# Altium PCB main - Copy.PcbDoc (part 6 of 14) (continued)
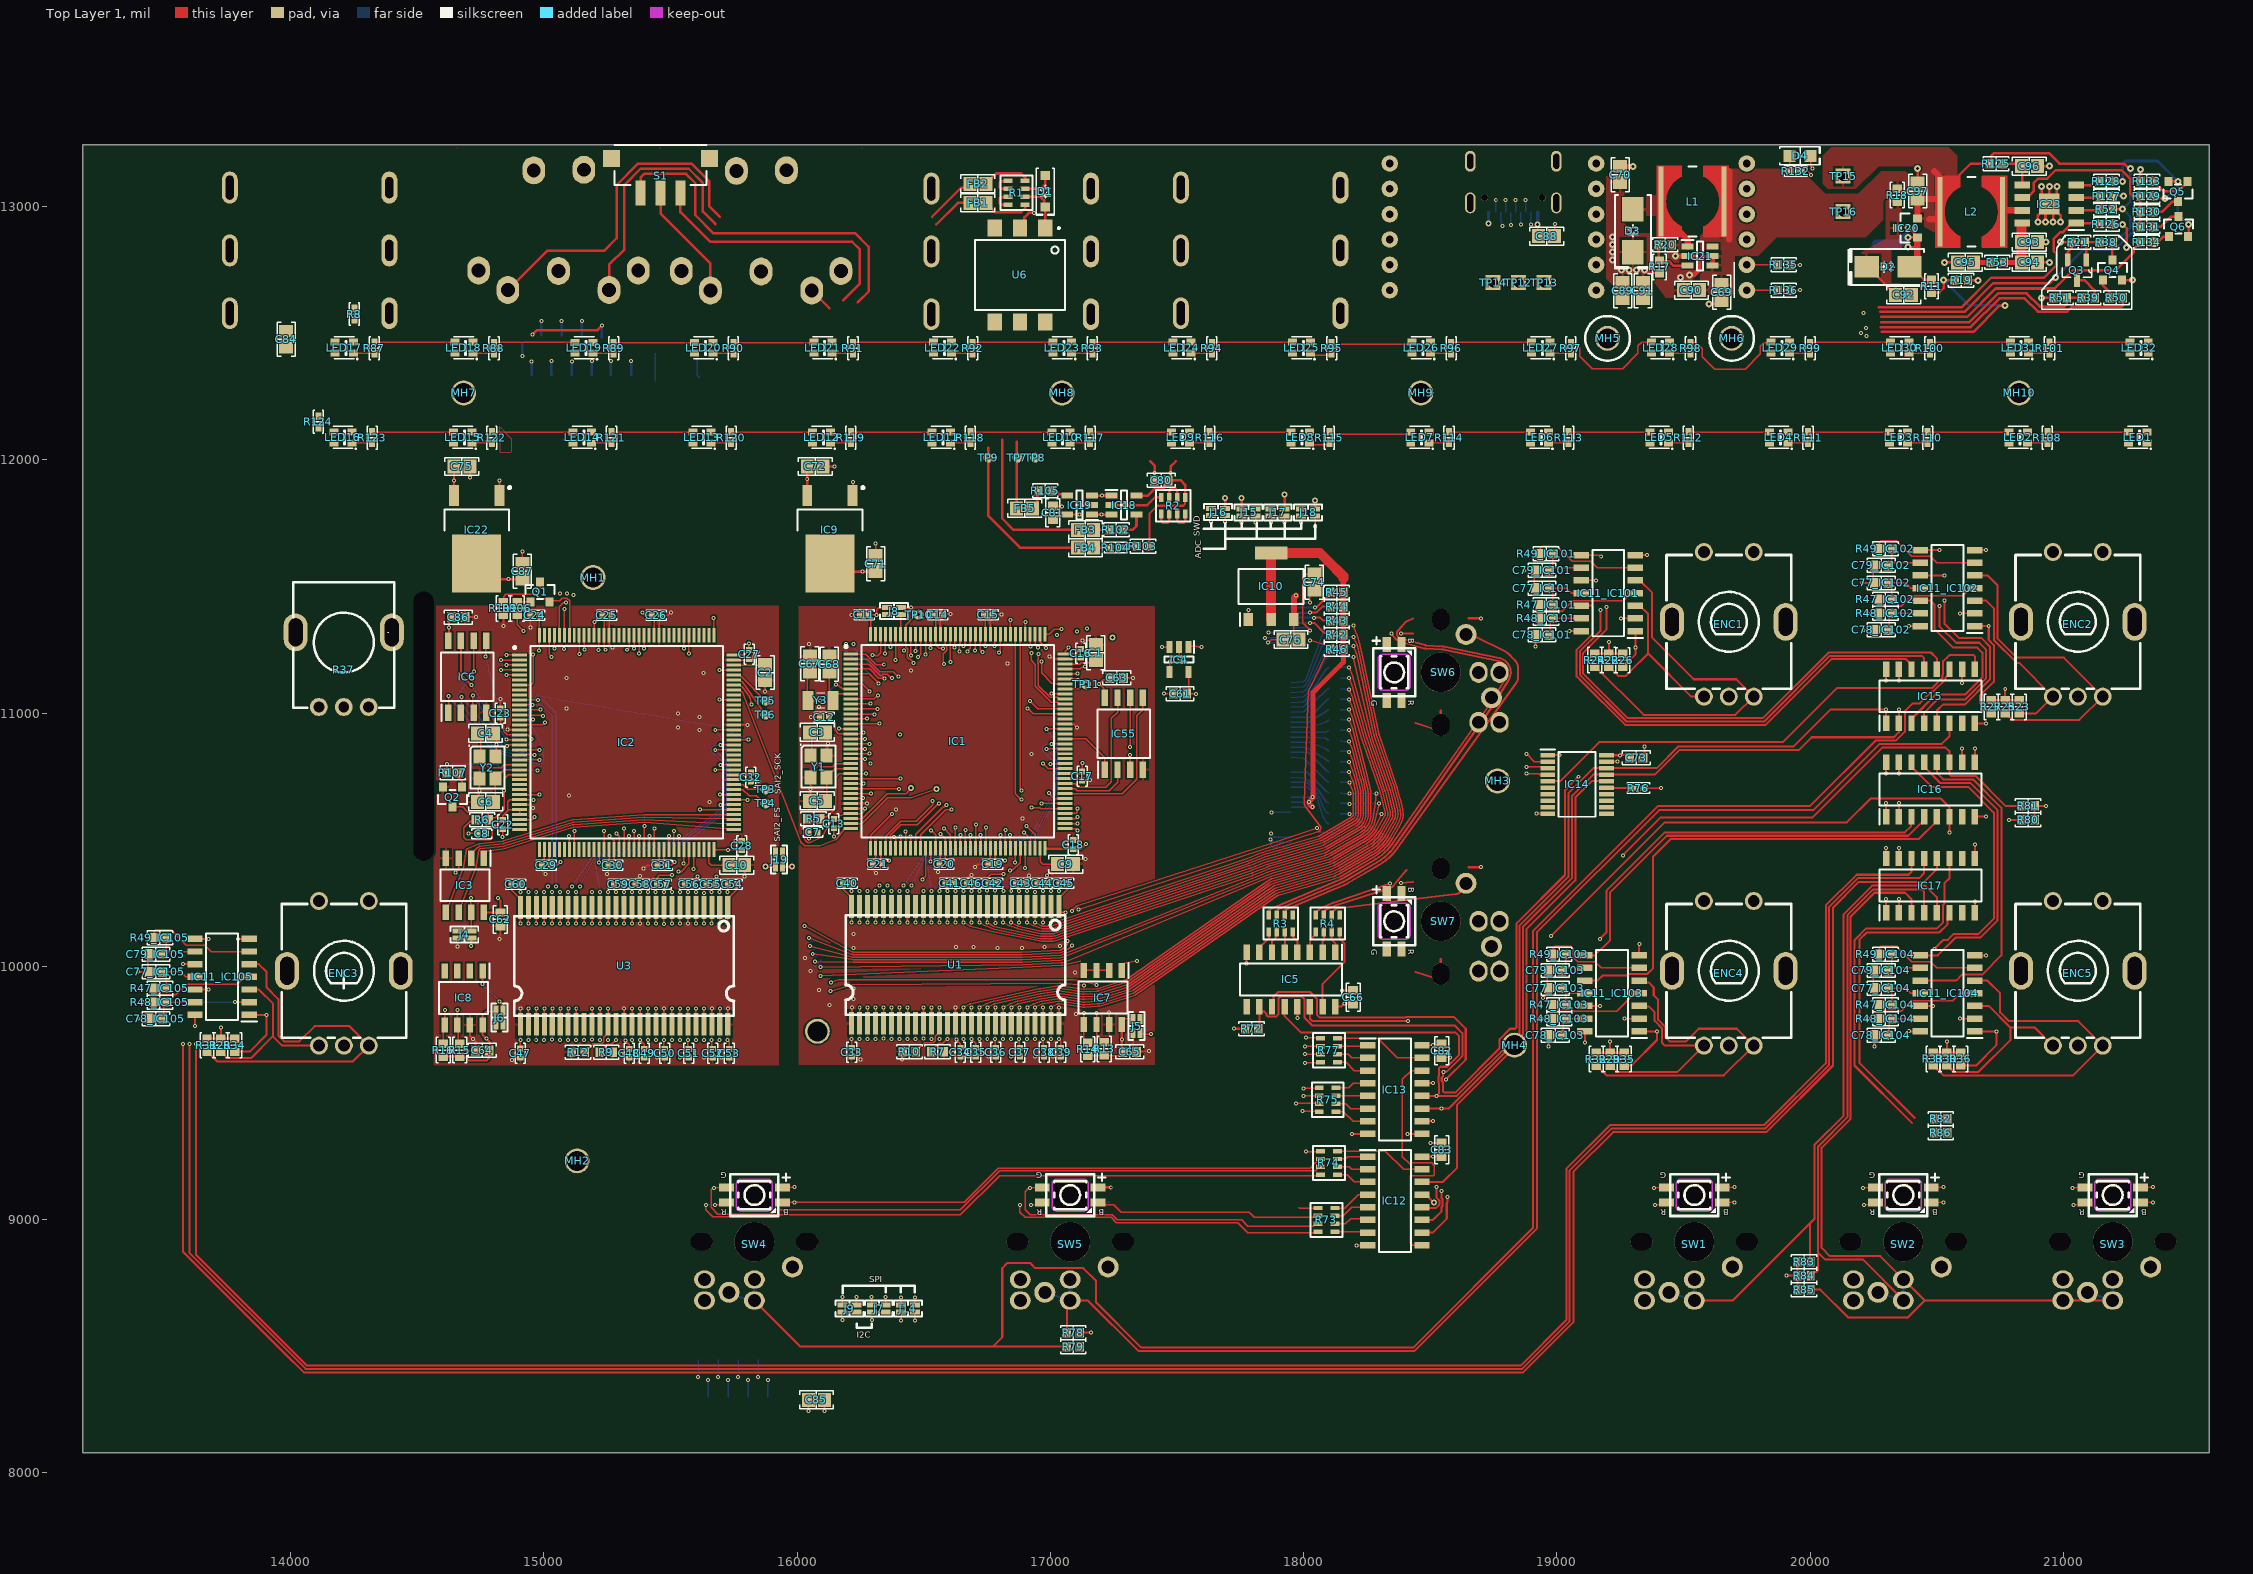
[diagram p0: Top Layer 1 view]
## Nets (pads, with @x,y where several pads share a name; then routed paths per layer and width w, separated by ;. In a path a pad name is that pad's centre, name@x,y a point inside that pad or via, vN(x,y) a via of type N, cw(c..) or ccw(c..) an arc to the next point about the centre after c; other vN are vias at no path point) (continued)
  Bottom 6+gnd w5: v1@16908.46,9713.75 U2.5@16908.46,9775.59 ; R58.2@18144.17,10807.66 18179.1,10807.66 v1(18179.31,10807.45)
D3: IC1.115 R59.2 U1.7 U2.7 | length 3756.2
  Top Layer 1 w5: U1.7@16845.23,10235.48 16844.88,10193.72 v1@16844.88,10176.1 ; v1@16845.96,10174.38 v1(16845.23,10174.13) ; IC1.115@16861.54,11311.42 16861.54,10682.28 v1(16885,10658.82) ; v1(18179.31,10847.45) 18193.5,10813.36 cw(c18179.31,10807.45) 18194.15,10811.48 18214.56,10736.25 cw(c18180.42,10726.98) 18214.92,10734.8 18224.66,10692.07 cw(c18180.42,10681.98) 18225.79,10681.98 18225.79,10601.98 cw(c18180.42,10601.98) 18203.29,10562.8 18078.93,10490.22 cw(c18056.25,10529.09) 18068.42,10485.76 17859.86,10425.42 ccw(c17906.89,10262.58) 17844.61,10420.22 17786.69,10397.36 cw(c17770.06,10439.17) 17784.19,10396.45 17050.69,10153.37 ccw(c17068.11,10100.81) 17049.86,10153.09 17014.45,10140.76 cw(c17002.71,10174.13) 17002.71,10138.76 16971.21,10138.76 cw(c16971.21,10174.13) 16963.73,10139.56 16873.38,10159.13 cw(c16876.72,10174.13) 16869.78,10160.42 16848.55,10171.16 cw(c16850.81,10175.63) 16847.3,10172.06 v1(16845.23,10174.13) ; v1@16844.88,10176.1 cw(c16840.23,10174.28) v1@16845.23,10174.16 ; v1@16844.88,10176.1 cw(c16840.23,10174.28) v1@16845.23,10174.16 ; v1@16844.88,10176.1 cw(c16840.23,10174.28) v1@16845.23,10174.16 ; v1@16844.88,10176.1 cw(c16840.23,10174.28) v1@16845.23,10174.16 ; v1@16844.88,10176.1 cw(c16840.23,10174.28) v1@16845.23,10174.16 ; v1@16844.88,10176.1 cw(c16840.23,10174.28) v1@16845.23,10174.16 ; v1@16844.88,10176.1 cw(c16840.23,10174.28) v1@16845.23,10174.16 ; v1@16844.88,10176.1 cw(c16840.23,10174.28) v1@16845.23,10174.16 ; v1@16844.88,10176.1 cw(c16840.23,10174.28) v1@16845.23,10174.16 ; v1@16844.88,10176.1 cw(c16840.23,10174.28) v1@16845.23,10174.16 ; v1@16844.88,10176.1 cw(c16840.23,10174.28) v1@16845.23,10174.16 ; v1@16844.88,10176.1 cw(c16840.23,10174.28) v1@16845.23,10174.16 ; v1@16844.88,10176.1 cw(c16840.23,10174.28) v1@16845.23,10174.16 ; v1@16844.88,10176.1 cw(c16840.23,10174.28) v1@16845.23,10174.16
  Layer 3 w5: v1(16845.23,9713.5) 16845.23,9805.11 cw(c16850.23,9805.11) 16846.68,9808.64 16859.89,9821.89 ; 16860.85,10324.67 16860.85,10191.78 cw(c16855.85,10191.87) 16859.39,10188.34 v1(16845.23,10174.13) v1@16845.23,10172.06 ; 16860.85,10324.68 cw(c16865.85,10324.68) 16862.27,10328.16 16911,10378.08 ccw(c16900,10388.82) 16915.35,10387.97 16922.44,10516.36 ; v1(16885,10658.82) 16918.05,10602.23 cw(c16913.73,10599.71) 16918.67,10600.5 ; 16918.67,10600.47 16922.94,10572.64 cw(c16907.74,10570.31) 16923.11,10570.13 ; 16923.11,10570.12 16922.46,10517.01 ; v1@16845.23,10172.06 ccw(c16850.23,10172.07) v1@16846.47,10168.77 ; v1@16845.23,10172.06 ccw(c16850.23,10172.07) v1@16846.47,10168.77 ; v1@16845.23,10172.06 ccw(c16850.23,10172.07) v1@16846.47,10168.77 ; v1@16845.23,10172.06 ccw(c16850.23,10172.07) v1@16846.47,10168.77 ; v1@16845.23,10172.06 ccw(c16850.23,10172.07) v1@16846.47,10168.77 ; v1@16845.23,10172.06 ccw(c16850.23,10172.07) v1@16846.47,10168.77 ; v1@16845.23,10172.06 ccw(c16850.23,10172.07) v1@16846.47,10168.77 ; v1@16845.23,10172.06 ccw(c16850.23,10172.07) v1@16846.47,10168.77 ; v1@16845.23,10172.06 ccw(c16850.23,10172.07) v1@16846.47,10168.77 ; v1@16845.23,10172.06 ccw(c16850.23,10172.07) v1@16846.47,10168.77 ; v1@16845.23,10172.06 ccw(c16850.23,10172.07) v1@16846.47,10168.77 ; v1@16845.23,10172.06 ccw(c16850.23,10172.07) v1@16846.47,10168.77 ; v1@16845.23,10172.06 ccw(c16850.23,10172.07) v1@16846.47,10168.77 ; v1@16845.23,10172.06 ccw(c16850.23,10172.07) v1@16846.47,10168.77 ; v1@16845.23,10172.06 ccw(c16850.23,10172.07) v1@16846.47,10168.77 ; v1@16845.23,10172.06 ccw(c16850.23,10172.07) v1@16846.47,10168.77 ; v1@16846.47,10168.77 16860.11,10153.23 ; 16859.89,9821.89 ccw(c16856.35,9825.42) 16861.35,9825.33 ; 16859.89,9821.89 ccw(c16856.35,9825.42) 16861.35,9825.33 ; 16859.89,9821.89 ccw(c16856.35,9825.42) 16861.35,9825.33 ; 16859.89,9821.89 ccw(c16856.35,9825.42) 16861.35,9825.33 ; 16859.89,9821.89 ccw(c16856.35,9825.42) 16861.35,9825.33 ; 16859.89,9821.89 ccw(c16856.35,9825.42) 16861.35,9825.33 ; 16859.89,9821.89 ccw(c16856.35,9825.42) 16861.35,9825.33 ; 16859.89,9821.89 ccw(c16856.35,9825.42) 16861.35,9825.33 ; 16859.89,9821.89 ccw(c16856.35,9825.42) 16861.35,9825.33 ; 16859.89,9821.89 ccw(c16856.35,9825.42) 16861.35,9825.33 ; 16859.89,9821.89 ccw(c16856.35,9825.42) 16861.35,9825.33 ; 16859.89,9821.89 ccw(c16856.35,9825.42) 16861.35,9825.33 ; 16859.89,9821.89 ccw(c16856.35,9825.42) 16861.35,9825.33 ; 16859.89,9821.89 ccw(c16856.35,9825.42) 16861.35,9825.33 ; 16859.89,9821.89 ccw(c16856.35,9825.42) 16861.35,9825.33 ; 16859.89,9821.89 ccw(c16856.35,9825.42) 16861.35,9825.33 ; 16860.11,10153.23 cw(c16856.35,10149.93) 16861.35,10150.02 ; 16860.11,10153.23 cw(c16856.35,10149.93) 16861.35,10150.02 ; 16860.11,10153.23 cw(c16856.35,10149.93) 16861.35,10150.02 ; 16860.11,10153.23 cw(c16856.35,10149.93) 16861.35,10150.02 ; 16860.11,10153.23 cw(c16856.35,10149.93) 16861.35,10150.02 ; 16860.11,10153.23 cw(c16856.35,10149.93) 16861.35,10150.02 ; 16860.11,10153.23 cw(c16856.35,10149.93) 16861.35,10150.02 ; 16860.11,10153.23 cw(c16856.35,10149.93) 16861.35,10150.02 ; 16860.11,10153.23 cw(c16856.35,10149.93) 16861.35,10150.02 ; 16860.11,10153.23 cw(c16856.35,10149.93) 16861.35,10150.02 ; 16860.11,10153.23 cw(c16856.35,10149.93) 16861.35,10150.02 ; 16860.11,10153.23 cw(c16856.35,10149.93) 16861.35,10150.02 ; 16860.11,10153.23 cw(c16856.35,10149.93) 16861.35,10150.02 ; 16860.11,10153.23 cw(c16856.35,10149.93) 16861.35,10150.02 ; 16860.11,10153.23 cw(c16856.35,10149.93) 16861.35,10150.02 ; 16860.11,10153.23 cw(c16856.35,10149.93) 16861.35,10150.02 ; 16861.35,9825.33 16861.35,10150.02 ; 16922.44,10516.36 ccw(c16907.09,10517.2) 16922.46,10517.01 ; 16922.44,10516.36 ccw(c16907.09,10517.2) 16922.46,10517.01 ; 16922.44,10516.36 ccw(c16907.09,10517.2) 16922.46,10517.01 ; 16922.44,10516.36 ccw(c16907.09,10517.2) 16922.46,10517.01 ; 16922.44,10516.36 ccw(c16907.09,10517.2) 16922.46,10517.01 ; 16922.44,10516.36 ccw(c16907.09,10517.2) 16922.46,10517.01 ; 16922.44,10516.36 ccw(c16907.09,10517.2) 16922.46,10517.01 ; 16922.44,10516.36 ccw(c16907.09,10517.2) 16922.46,10517.01 ; 16922.44,10516.36 ccw(c16907.09,10517.2) 16922.46,10517.01 ; 16922.44,10516.36 ccw(c16907.09,10517.2) 16922.46,10517.01 ; 16922.44,10516.36 ccw(c16907.09,10517.2) 16922.46,10517.01 ; 16922.44,10516.36 ccw(c16907.09,10517.2) 16922.46,10517.01 ; 16922.44,10516.36 ccw(c16907.09,10517.2) 16922.46,10517.01 ; 16922.44,10516.36 ccw(c16907.09,10517.2) 16922.46,10517.01 ; 16922.44,10516.36 ccw(c16907.09,10517.2) 16922.46,10517.01 ; 16922.44,10516.36 ccw(c16907.09,10517.2) 16922.46,10517.01
  Bottom 6+gnd w5: v1@16845.47,9713.75 U2.7@16845.47,9775.59 ; R59.2@18144.17,10848.97 18145.28,10848.97 18177.79,10848.97 v1(18179.31,10847.45)
D4: IC1.58 R60.2 U1.8 U2.8 | length 4530.7
  Top Layer 1 w5: IC1.58@16704.06,10465.91 16704.45,10466.3 16704.45,10558.27 v1(16705.87,10559.69) ; U1.8@16813.73,10235.48 16813.39,10193.72 16813.39,10177.2 ccw(c16818.39,10177.23) 16813.56,10175.96 16813.59,10175.85 cw(c16808.75,10174.58) 16813.74,10174.28 v1(16813.73,10174.13) ; v1(18179.31,10887.45) 18193.5,10853.36 cw(c18179.31,10847.45) 18194.16,10851.42 18224.26,10738.69 cw(c18180.42,10726.98) 18224.67,10737 18234.41,10694.29 cw(c18180.42,10681.98) 18235.79,10681.98 18235.79,10601.98 cw(c18180.42,10601.98) 18208.33,10554.16 18083.97,10481.59 cw(c18056.25,10529.09) 18071.2,10476.16 17862.59,10415.8 ccw(c17906.89,10262.58) 17848.3,10410.93 17790.35,10388.05 cw(c17770.06,10439.17) 17787.33,10386.96 17053.87,10143.89 ccw(c17068.11,10100.81) 17053.13,10143.64 17017.72,10131.31 cw(c17002.71,10174.13) 17002.71,10128.76 16971.21,10128.76 cw(c16971.21,10174.13) 16961.61,10129.79 16871.26,10149.35 cw(c16876.72,10174.13) 16868.74,10150.05 16840.34,10159.55 cw(c16845.23,10174.13) 16838.11,10160.51 16816.28,10171.91 cw(c16818.59,10176.34) 16815.1,10172.76 v1(16813.73,10174.13) ; v1(16813.73,10174.13) ccw(c16808.75,10174.58) 16813.4,10176.43 cw(c16808.75,10174.58) v1(16813.73,10174.13)
  Layer 3 w5: v1(16705.87,10559.69) 16735.03,10572.15 ; v1(16813.73,9713.5) 16813.73,9805.11 cw(c16818.73,9805.12) 16815.18,9808.63 16828.39,9821.89 ; 16876.71,10521.47 16885.65,10412.59 ; 16735.03,10572.15 cw(c16745,10548.82) 16745.08,10574.19 ; 16735.03,10572.15 cw(c16745,10548.82) 16745.08,10574.19 ; 16735.03,10572.15 cw(c16745,10548.82) 16745.08,10574.19 ; 16735.03,10572.15 cw(c16745,10548.82) 16745.08,10574.19 ; 16735.03,10572.15 cw(c16745,10548.82) 16745.08,10574.19 ; 16735.03,10572.15 cw(c16745,10548.82) 16745.08,10574.19 ; 16735.03,10572.15 cw(c16745,10548.82) 16745.08,10574.19 ; 16735.03,10572.15 cw(c16745,10548.82) 16745.08,10574.19 ; 16745.08,10574.19 16822.17,10573.96 ; 16822.17,10573.96 cw(c16822.09,10538.58) 16847.51,10563.18 ; 16822.17,10573.96 cw(c16822.09,10538.58) 16847.51,10563.18 ; 16822.17,10573.96 cw(c16822.09,10538.58) 16847.51,10563.18 ; 16822.17,10573.96 cw(c16822.09,10538.58) 16847.51,10563.18 ; 16822.17,10573.96 cw(c16822.09,10538.58) 16847.51,10563.18 ; 16822.17,10573.96 cw(c16822.09,10538.58) 16847.51,10563.18 ; 16822.17,10573.96 cw(c16822.09,10538.58) 16847.51,10563.18 ; 16822.17,10573.96 cw(c16822.09,10538.58) 16847.51,10563.18 ; 16822.17,10573.96 cw(c16822.09,10538.58) 16847.51,10563.18 ; 16822.17,10573.96 cw(c16822.09,10538.58) 16847.51,10563.18 ; 16822.17,10573.96 cw(c16822.09,10538.58) 16847.51,10563.18 ; 16822.17,10573.96 cw(c16822.09,10538.58) 16847.51,10563.18 ; 16822.17,10573.96 cw(c16822.09,10538.58) 16847.51,10563.18 ; 16822.17,10573.96 cw(c16822.09,10538.58) 16847.51,10563.18 ; 16822.17,10573.96 cw(c16822.09,10538.58) 16847.51,10563.18 ; 16822.17,10573.96 cw(c16822.09,10538.58) 16847.51,10563.18 ; 16828.39,9821.89 ccw(c16824.85,9825.42) 16829.85,9825.33 ; 16828.39,9821.89 ccw(c16824.85,9825.42) 16829.85,9825.33 ; 16828.39,9821.89 ccw(c16824.85,9825.42) 16829.85,9825.33 ; 16828.39,9821.89 ccw(c16824.85,9825.42) 16829.85,9825.33 ; 16828.39,9821.89 ccw(c16824.85,9825.42) 16829.85,9825.33 ; 16828.39,9821.89 ccw(c16824.85,9825.42) 16829.85,9825.33 ; 16828.39,9821.89 ccw(c16824.85,9825.42) 16829.85,9825.33 ; 16828.39,9821.89 ccw(c16824.85,9825.42) 16829.85,9825.33 ; 16828.39,9821.89 ccw(c16824.85,9825.42) 16829.85,9825.33 ; 16828.39,9821.89 ccw(c16824.85,9825.42) 16829.85,9825.33 ; 16828.39,9821.89 ccw(c16824.85,9825.42) 16829.85,9825.33 ; 16828.39,9821.89 ccw(c16824.85,9825.42) 16829.85,9825.33 ; 16828.39,9821.89 ccw(c16824.85,9825.42) 16829.85,9825.33 ; 16828.39,9821.89 ccw(c16824.85,9825.42) 16829.85,9825.33 ; 16828.39,9821.89 ccw(c16824.85,9825.42) 16829.85,9825.33 ; 16828.39,9821.89 ccw(c16824.85,9825.42) 16829.85,9825.33 ; 16828.8,10152.99 cw(c16824.85,10149.93) 16829.85,10150.02 ; 16828.8,10152.99 cw(c16824.85,10149.93) 16829.85,10150.02 ; 16828.8,10152.99 cw(c16824.85,10149.93) 16829.85,10150.02 ; 16828.8,10152.99 cw(c16824.85,10149.93) 16829.85,10150.02 ; 16828.8,10152.99 cw(c16824.85,10149.93) 16829.85,10150.02 ; 16828.8,10152.99 cw(c16824.85,10149.93) 16829.85,10150.02 ; 16828.8,10152.99 cw(c16824.85,10149.93) 16829.85,10150.02 ; 16828.8,10152.99 cw(c16824.85,10149.93) 16829.85,10150.02 ; 16828.8,10152.99 cw(c16824.85,10149.93) 16829.85,10150.02 ; 16828.8,10152.99 cw(c16824.85,10149.93) 16829.85,10150.02 ; 16828.8,10152.99 cw(c16824.85,10149.93) 16829.85,10150.02 ; 16828.8,10152.99 cw(c16824.85,10149.93) 16829.85,10150.02 ; 16828.8,10152.99 cw(c16824.85,10149.93) 16829.85,10150.02 ; 16828.8,10152.99 cw(c16824.85,10149.93) 16829.85,10150.02 ; 16828.8,10152.99 cw(c16824.85,10149.93) 16829.85,10150.02 ; 16828.8,10152.99 cw(c16824.85,10149.93) 16829.85,10150.02 ; 16828.8,10152.99 16814.79,10171.06 cw(c16818.73,10174.13) v1(16813.73,10174.13) 16813.73,10174.19 cw(c16818.73,10174.13) 16814.53,10176.85 16829.3,10199.68 ; 16829.3,10199.68 ccw(c16825.1,10202.4) 16830.1,10202.31 ; 16829.3,10199.68 ccw(c16825.1,10202.4) 16830.1,10202.31 ; 16829.3,10199.68 ccw(c16825.1,10202.4) 16830.1,10202.31 ; 16829.3,10199.68 ccw(c16825.1,10202.4) 16830.1,10202.31 ; 16829.3,10199.68 ccw(c16825.1,10202.4) 16830.1,10202.31 ; 16829.3,10199.68 ccw(c16825.1,10202.4) 16830.1,10202.31 ; 16829.3,10199.68 ccw(c16825.1,10202.4) 16830.1,10202.31 ; 16829.3,10199.68 ccw(c16825.1,10202.4) 16830.1,10202.31 ; 16829.3,10199.68 ccw(c16825.1,10202.4) 16830.1,10202.31 ; 16829.3,10199.68 ccw(c16825.1,10202.4) 16830.1,10202.31 ; 16829.3,10199.68 ccw(c16825.1,10202.4) 16830.1,10202.31 ; 16829.3,10199.68 ccw(c16825.1,10202.4) 16830.1,10202.31 ; 16829.3,10199.68 ccw(c16825.1,10202.4) 16830.1,10202.31 ; 16829.3,10199.68 ccw(c16825.1,10202.4) 16830.1,10202.31 ; 16829.3,10199.68 ccw(c16825.1,10202.4) 16830.1,10202.31 ; 16829.3,10199.68 ccw(c16825.1,10202.4) 16830.1,10202.31 ; 16829.85,9825.33 16829.85,10150.02 ; 16830.1,10202.31 16830.1,10341.5 ; 16830.1,10341.5 cw(c16835.1,10341.5) 16831.55,10345.01 ; 16830.1,10341.5 cw(c16835.1,10341.5) 16831.55,10345.01 ; 16830.1,10341.5 cw(c16835.1,10341.5) 16831.55,10345.01 ; 16830.1,10341.5 cw(c16835.1,10341.5) 16831.55,10345.01 ; 16830.1,10341.5 cw(c16835.1,10341.5) 16831.55,10345.01 ; 16830.1,10341.5 cw(c16835.1,10341.5) 16831.55,10345.01 ; 16830.1,10341.5 cw(c16835.1,10341.5) 16831.55,10345.01 ; 16830.1,10341.5 cw(c16835.1,10341.5) 16831.55,10345.01 ; 16830.1,10341.5 cw(c16835.1,10341.5) 16831.55,10345.01 ; 16830.1,10341.5 cw(c16835.1,10341.5) 16831.55,10345.01 ; 16830.1,10341.5 cw(c16835.1,10341.5) 16831.55,10345.01 ; 16830.1,10341.5 cw(c16835.1,10341.5) 16831.55,10345.01 ; 16830.1,10341.5 cw(c16835.1,10341.5) 16831.55,10345.01 ; 16830.1,10341.5 cw(c16835.1,10341.5) 16831.55,10345.01 ; 16830.1,10341.5 cw(c16835.1,10341.5) 16831.55,10345.01 ; 16830.1,10341.5 cw(c16835.1,10341.5) 16831.55,10345.01 ; 16831.55,10345.01 16833.13,10346.59 ; 16833.13,10346.59 ccw(c16815.15,10364.5) 16833.26,10346.72 ; 16833.13,10346.59 ccw(c16815.15,10364.5) 16833.26,10346.72 ; 16833.13,10346.59 ccw(c16815.15,10364.5) 16833.26,10346.72 ; 16833.13,10346.59 ccw(c16815.15,10364.5) 16833.26,10346.72 ; 16833.13,10346.59 ccw(c16815.15,10364.5) 16833.26,10346.72 ; 16833.13,10346.59 ccw(c16815.15,10364.5) 16833.26,10346.72 ; 16833.13,10346.59 ccw(c16815.15,10364.5) 16833.26,10346.72 ; 16833.13,10346.59 ccw(c16815.15,10364.5) 16833.26,10346.72 ; 16833.13,10346.59 ccw(c16815.15,10364.5) 16833.26,10346.72 ; 16833.13,10346.59 ccw(c16815.15,10364.5) 16833.26,10346.72 ; 16833.13,10346.59 ccw(c16815.15,10364.5) 16833.26,10346.72 ; 16833.13,10346.59 ccw(c16815.15,10364.5) 16833.26,10346.72 ; 16833.13,10346.59 ccw(c16815.15,10364.5) 16833.26,10346.72 ; 16833.13,10346.59 ccw(c16815.15,10364.5) 16833.26,10346.72 ; 16833.13,10346.59 ccw(c16815.15,10364.5) 16833.26,10346.72 ; 16833.13,10346.59 ccw(c16815.15,10364.5) 16833.26,10346.72 ; 16833.26,10346.72 16878.46,10392.74 ; 16847.51,10563.18 16866.83,10543.23 ; 16866.83,10543.23 cw(c16841.46,10518.58) 16876.71,10521.48 ; 16866.83,10543.23 cw(c16841.46,10518.58) 16876.71,10521.48 ; 16866.83,10543.23 cw(c16841.46,10518.58) 16876.71,10521.48 ; 16866.83,10543.23 cw(c16841.46,10518.58) 16876.71,10521.48 ; 16866.83,10543.23 cw(c16841.46,10518.58) 16876.71,10521.48 ; 16866.83,10543.23 cw(c16841.46,10518.58) 16876.71,10521.48 ; 16866.83,10543.23 cw(c16841.46,10518.58) 16876.71,10521.48 ; 16866.83,10543.23 cw(c16841.46,10518.58) 16876.71,10521.48 ; 16866.83,10543.23 cw(c16841.46,10518.58) 16876.71,10521.48 ; 16866.83,10543.23 cw(c16841.46,10518.58) 16876.71,10521.48 ; 16866.83,10543.23 cw(c16841.46,10518.58) 16876.71,10521.48 ; 16866.83,10543.23 cw(c16841.46,10518.58) 16876.71,10521.48 ; 16866.83,10543.23 cw(c16841.46,10518.58) 16876.71,10521.48 ; 16866.83,10543.23 cw(c16841.46,10518.58) 16876.71,10521.48 ; 16866.83,10543.23 cw(c16841.46,10518.58) 16876.71,10521.48 ; 16866.83,10543.23 cw(c16841.46,10518.58) 16876.71,10521.48 ; 16878.46,10392.74 ccw(c16860.36,10410.52) 16885.65,10412.59 ; 16878.46,10392.74 ccw(c16860.36,10410.52) 16885.65,10412.59 ; 16878.46,10392.74 ccw(c16860.36,10410.52) 16885.65,10412.59 ; 16878.46,10392.74 ccw(c16860.36,10410.52) 16885.65,10412.59 ; 16878.46,10392.74 ccw(c16860.36,10410.52) 16885.65,10412.59 ; 16878.46,10392.74 ccw(c16860.36,10410.52) 16885.65,10412.59 ; 16878.46,10392.74 ccw(c16860.36,10410.52) 16885.65,10412.59 ; 16878.46,10392.74 ccw(c16860.36,10410.52) 16885.65,10412.59 ; 16878.46,10392.74 ccw(c16860.36,10410.52) 16885.65,10412.59 ; 16878.46,10392.74 ccw(c16860.36,10410.52) 16885.65,10412.59 ; 16878.46,10392.74 ccw(c16860.36,10410.52) 16885.65,10412.59 ; 16878.46,10392.74 ccw(c16860.36,10410.52) 16885.65,10412.59 ; 16878.46,10392.74 ccw(c16860.36,10410.52) 16885.65,10412.59 ; 16878.46,10392.74 ccw(c16860.36,10410.52) 16885.65,10412.59 ; 16878.46,10392.74 ccw(c16860.36,10410.52) 16885.65,10412.59 ; 16878.46,10392.74 ccw(c16860.36,10410.52) 16885.65,10412.59
  Bottom 6+gnd w5: v1@16813.98,9713.75 U2.8@16813.98,9775.59 ; R60.2@18144.17,10890.29 18145,10890.11 18157.54,10887.45 v1(18179.31,10887.45)
D5: IC1.59 R61.2 U1.10 U2.10 | length 4236.6
  Top Layer 1 w5: IC1.59@16723.58,10466.06 16724.15,10466.63 16724.15,10518.01 v1(16724.72,10518.58) ; U1.10@16750.98,10236.22 16750.74,10193.72 v1(16750.74,10174.13) 16752.28,10172.64 ccw(c16755.74,10176.25) 16753.15,10171.98 16774.59,10158.97 ccw(c16782.5,10172.15) 16779.4,10157.09 16959.99,10119.91 ccw(c16971.21,10174.13) 16971.21,10118.76 17002.71,10118.76 ccw(c17002.71,10174.13) 17020.98,10121.86 17056.46,10134.21 cw(c17068.11,10100.81) 17056.99,10134.39 17790.47,10377.46 ccw(c17770.06,10439.17) 17794,10378.74 17852,10401.64 cw(c17906.89,10262.58) 17865.38,10406.2 18073.98,10466.55 ccw(c18056.25,10529.09) 18089.01,10472.95 18213.37,10545.52 ccw(c18180.42,10601.98) 18245.79,10601.98 18245.79,10681.98 ccw(c18180.42,10681.98) 18244.16,10696.49 18234.43,10739.21 ccw(c18180.42,10726.98) 18233.95,10741.16 18194.17,10891.39 ccw(c18179.31,10887.45) 18193.76,10892.71 v1(18179.31,10932.45)
  Layer 3 w5: v1(16724.72,10518.58) 16729.81,10551.19 cw(c16745,10548.82) 16745.05,10564.19 16822.16,10563.96 ; v1(16750.74,9713.5) 16750.74,9805.11 cw(c16755.74,9805.12) 16752.18,9808.63 16765.4,9821.89 ; v1@16750.74,10172.06 ccw(c16755.74,10172.07) v1@16751.98,10168.77 ; v1@16750.74,10172.06 ccw(c16755.74,10172.07) v1@16751.98,10168.77 ; v1@16750.74,10172.06 ccw(c16755.74,10172.07) v1@16751.98,10168.77 ; v1@16750.74,10172.06 ccw(c16755.74,10172.07) v1@16751.98,10168.77 ; v1@16750.74,10172.06 ccw(c16755.74,10172.07) v1@16751.98,10168.77 ; v1@16750.74,10172.06 ccw(c16755.74,10172.07) v1@16751.98,10168.77 ; v1@16750.74,10172.06 ccw(c16755.74,10172.07) v1@16751.98,10168.77 ; v1@16750.74,10172.06 ccw(c16755.74,10172.07) v1@16751.98,10168.77 ; v1@16750.74,10172.06 ccw(c16755.74,10172.07) v1@16751.98,10168.77 ; v1@16750.74,10172.06 ccw(c16755.74,10172.07) v1@16751.98,10168.77 ; v1@16750.74,10172.06 ccw(c16755.74,10172.07) v1@16751.98,10168.77 ; v1@16750.74,10172.06 ccw(c16755.74,10172.07) v1@16751.98,10168.77 ; v1@16750.74,10172.06 ccw(c16755.74,10172.07) v1@16751.98,10168.77 ; v1@16750.74,10172.06 ccw(c16755.74,10172.07) v1@16751.98,10168.77 ; v1@16750.74,10172.06 ccw(c16755.74,10172.07) v1@16751.98,10168.77 ; v1@16750.74,10172.06 ccw(c16755.74,10172.07) v1@16751.98,10168.77 ; v1@16750.74,10172.06 v1(16750.74,10174.13) 16764.99,10188.43 ccw(c16761.45,10191.96) 16766.45,10191.87 16766.45,10344.72 cw(c16771.45,10344.72) 16768.45,10348.72 16805.94,10376.81 ; v1@16751.98,10168.77 16765.62,10153.23 ; 16765.4,9821.89 ccw(c16761.86,9825.42) 16766.86,9825.33 ; 16765.4,9821.89 ccw(c16761.86,9825.42) 16766.86,9825.33 ; 16765.4,9821.89 ccw(c16761.86,9825.42) 16766.86,9825.33 ; 16765.4,9821.89 ccw(c16761.86,9825.42) 16766.86,9825.33 ; 16765.4,9821.89 ccw(c16761.86,9825.42) 16766.86,9825.33 ; 16765.4,9821.89 ccw(c16761.86,9825.42) 16766.86,9825.33 ; 16765.4,9821.89 ccw(c16761.86,9825.42) 16766.86,9825.33 ; 16765.4,9821.89 ccw(c16761.86,9825.42) 16766.86,9825.33 ; 16765.4,9821.89 ccw(c16761.86,9825.42) 16766.86,9825.33 ; 16765.4,9821.89 ccw(c16761.86,9825.42) 16766.86,9825.33 ; 16765.4,9821.89 ccw(c16761.86,9825.42) 16766.86,9825.33 ; 16765.4,9821.89 ccw(c16761.86,9825.42) 16766.86,9825.33 ; 16765.4,9821.89 ccw(c16761.86,9825.42) 16766.86,9825.33 ; 16765.4,9821.89 ccw(c16761.86,9825.42) 16766.86,9825.33 ; 16765.4,9821.89 ccw(c16761.86,9825.42) 16766.86,9825.33 ; 16765.4,9821.89 ccw(c16761.86,9825.42) 16766.86,9825.33 ; 16765.62,10153.23 cw(c16761.86,10149.93) 16766.86,10150.02 ; 16765.62,10153.23 cw(c16761.86,10149.93) 16766.86,10150.02 ; 16765.62,10153.23 cw(c16761.86,10149.93) 16766.86,10150.02 ; 16765.62,10153.23 cw(c16761.86,10149.93) 16766.86,10150.02 ; 16765.62,10153.23 cw(c16761.86,10149.93) 16766.86,10150.02 ; 16765.62,10153.23 cw(c16761.86,10149.93) 16766.86,10150.02 ; 16765.62,10153.23 cw(c16761.86,10149.93) 16766.86,10150.02 ; 16765.62,10153.23 cw(c16761.86,10149.93) 16766.86,10150.02 ; 16765.62,10153.23 cw(c16761.86,10149.93) 16766.86,10150.02 ; 16765.62,10153.23 cw(c16761.86,10149.93) 16766.86,10150.02 ; 16765.62,10153.23 cw(c16761.86,10149.93) 16766.86,10150.02 ; 16765.62,10153.23 cw(c16761.86,10149.93) 16766.86,10150.02 ; 16765.62,10153.23 cw(c16761.86,10149.93) 16766.86,10150.02 ; 16765.62,10153.23 cw(c16761.86,10149.93) 16766.86,10150.02 ; 16765.62,10153.23 cw(c16761.86,10149.93) 16766.86,10150.02 ; 16765.62,10153.23 cw(c16761.86,10149.93) 16766.86,10150.02 ; 16766.86,9825.33 16766.86,10150.02 ; 16805.94,10376.81 cw(c16815.15,10364.5) 16807.48,10377.83 ; 16805.94,10376.81 cw(c16815.15,10364.5) 16807.48,10377.83 ; 16805.94,10376.81 cw(c16815.15,10364.5) 16807.48,10377.83 ; 16805.94,10376.81 cw(c16815.15,10364.5) 16807.48,10377.83 ; 16805.94,10376.81 cw(c16815.15,10364.5) 16807.48,10377.83 ; 16805.94,10376.81 cw(c16815.15,10364.5) 16807.48,10377.83 ; 16805.94,10376.81 cw(c16815.15,10364.5) 16807.48,10377.83 ; 16805.94,10376.81 cw(c16815.15,10364.5) 16807.48,10377.83 ; 16805.94,10376.81 cw(c16815.15,10364.5) 16807.48,10377.83 ; 16805.94,10376.81 cw(c16815.15,10364.5) 16807.48,10377.83 ; 16805.94,10376.81 cw(c16815.15,10364.5) 16807.48,10377.83 ; 16805.94,10376.81 cw(c16815.15,10364.5) 16807.48,10377.83 ; 16805.94,10376.81 cw(c16815.15,10364.5) 16807.48,10377.83 ; 16805.94,10376.81 cw(c16815.15,10364.5) 16807.48,10377.83 ; 16805.94,10376.81 cw(c16815.15,10364.5) 16807.48,10377.83 ; 16805.94,10376.81 cw(c16815.15,10364.5) 16807.48,10377.83 ; 16807.48,10377.83 16832.33,10392.14 ; 16822.16,10563.96 cw(c16822.09,10538.58) 16840.32,10556.23 ; 16822.16,10563.96 cw(c16822.09,10538.58) 16840.32,10556.23 ; 16822.16,10563.96 cw(c16822.09,10538.58) 16840.32,10556.23 ; 16822.16,10563.96 cw(c16822.09,10538.58) 16840.32,10556.23 ; 16822.16,10563.96 cw(c16822.09,10538.58) 16840.32,10556.23 ; 16822.16,10563.96 cw(c16822.09,10538.58) 16840.32,10556.23 ; 16822.16,10563.96 cw(c16822.09,10538.58) 16840.32,10556.23 ; 16822.16,10563.96 cw(c16822.09,10538.58) 16840.32,10556.23 ; 16822.16,10563.96 cw(c16822.09,10538.58) 16840.32,10556.23 ; 16822.16,10563.96 cw(c16822.09,10538.58) 16840.32,10556.23 ; 16822.16,10563.96 cw(c16822.09,10538.58) 16840.32,10556.23 ; 16822.16,10563.96 cw(c16822.09,10538.58) 16840.32,10556.23 ; 16822.16,10563.96 cw(c16822.09,10538.58) 16840.32,10556.23 ; 16822.16,10563.96 cw(c16822.09,10538.58) 16840.32,10556.23 ; 16822.16,10563.96 cw(c16822.09,10538.58) 16840.32,10556.23 ; 16822.16,10563.96 cw(c16822.09,10538.58) 16840.32,10556.23 ; 16832.33,10392.14 cw(c16840,10378.82) 16839.3,10394.18 ; 16832.33,10392.14 cw(c16840,10378.82) 16839.3,10394.18 ; 16832.33,10392.14 cw(c16840,10378.82) 16839.3,10394.18 ; 16832.33,10392.14 cw(c16840,10378.82) 16839.3,10394.18 ; 16832.33,10392.14 cw(c16840,10378.82) 16839.3,10394.18 ; 16832.33,10392.14 cw(c16840,10378.82) 16839.3,10394.18 ; 16832.33,10392.14 cw(c16840,10378.82) 16839.3,10394.18 ; 16832.33,10392.14 cw(c16840,10378.82) 16839.3,10394.18 ; 16832.33,10392.14 cw(c16840,10378.82) 16839.3,10394.18 ; 16832.33,10392.14 cw(c16840,10378.82) 16839.3,10394.18 ; 16832.33,10392.14 cw(c16840,10378.82) 16839.3,10394.18 ; 16832.33,10392.14 cw(c16840,10378.82) 16839.3,10394.18 ; 16832.33,10392.14 cw(c16840,10378.82) 16839.3,10394.18 ; 16832.33,10392.14 cw(c16840,10378.82) 16839.3,10394.18 ; 16832.33,10392.14 cw(c16840,10378.82) 16839.3,10394.18 ; 16832.33,10392.14 cw(c16840,10378.82) 16839.3,10394.18 ; 16839.3,10394.18 16861.05,10395.16 ; 16840.32,10556.23 16859.68,10536.23 cw(c16841.46,10518.58) 16866.75,10520.66 16875.68,10411.78 ; 16861.05,10395.16 ccw(c16860.36,10410.52) 16875.68,10411.78 ; 16861.05,10395.16 ccw(c16860.36,10410.52) 16875.68,10411.78 ; 16861.05,10395.16 ccw(c16860.36,10410.52) 16875.68,10411.78 ; 16861.05,10395.16 ccw(c16860.36,10410.52) 16875.68,10411.78 ; 16861.05,10395.16 ccw(c16860.36,10410.52) 16875.68,10411.78 ; 16861.05,10395.16 ccw(c16860.36,10410.52) 16875.68,10411.78 ; 16861.05,10395.16 ccw(c16860.36,10410.52) 16875.68,10411.78 ; 16861.05,10395.16 ccw(c16860.36,10410.52) 16875.68,10411.78 ; 16861.05,10395.16 ccw(c16860.36,10410.52) 16875.68,10411.78 ; 16861.05,10395.16 ccw(c16860.36,10410.52) 16875.68,10411.78 ; 16861.05,10395.16 ccw(c16860.36,10410.52) 16875.68,10411.78 ; 16861.05,10395.16 ccw(c16860.36,10410.52) 16875.68,10411.78 ; 16861.05,10395.16 ccw(c16860.36,10410.52) 16875.68,10411.78 ; 16861.05,10395.16 ccw(c16860.36,10410.52) 16875.68,10411.78 ; 16861.05,10395.16 ccw(c16860.36,10410.52) 16875.68,10411.78 ; 16861.05,10395.16 ccw(c16860.36,10410.52) 16875.68,10411.78
  Bottom 6+gnd w5: v1@16750.98,9713.75 U2.10@16750.98,9775.59 ; R61.2@18144.17,10931.6 18178.46,10931.6 v1(18179.31,10932.45)